# KiCad board BatreeqV2.kicad_pcb
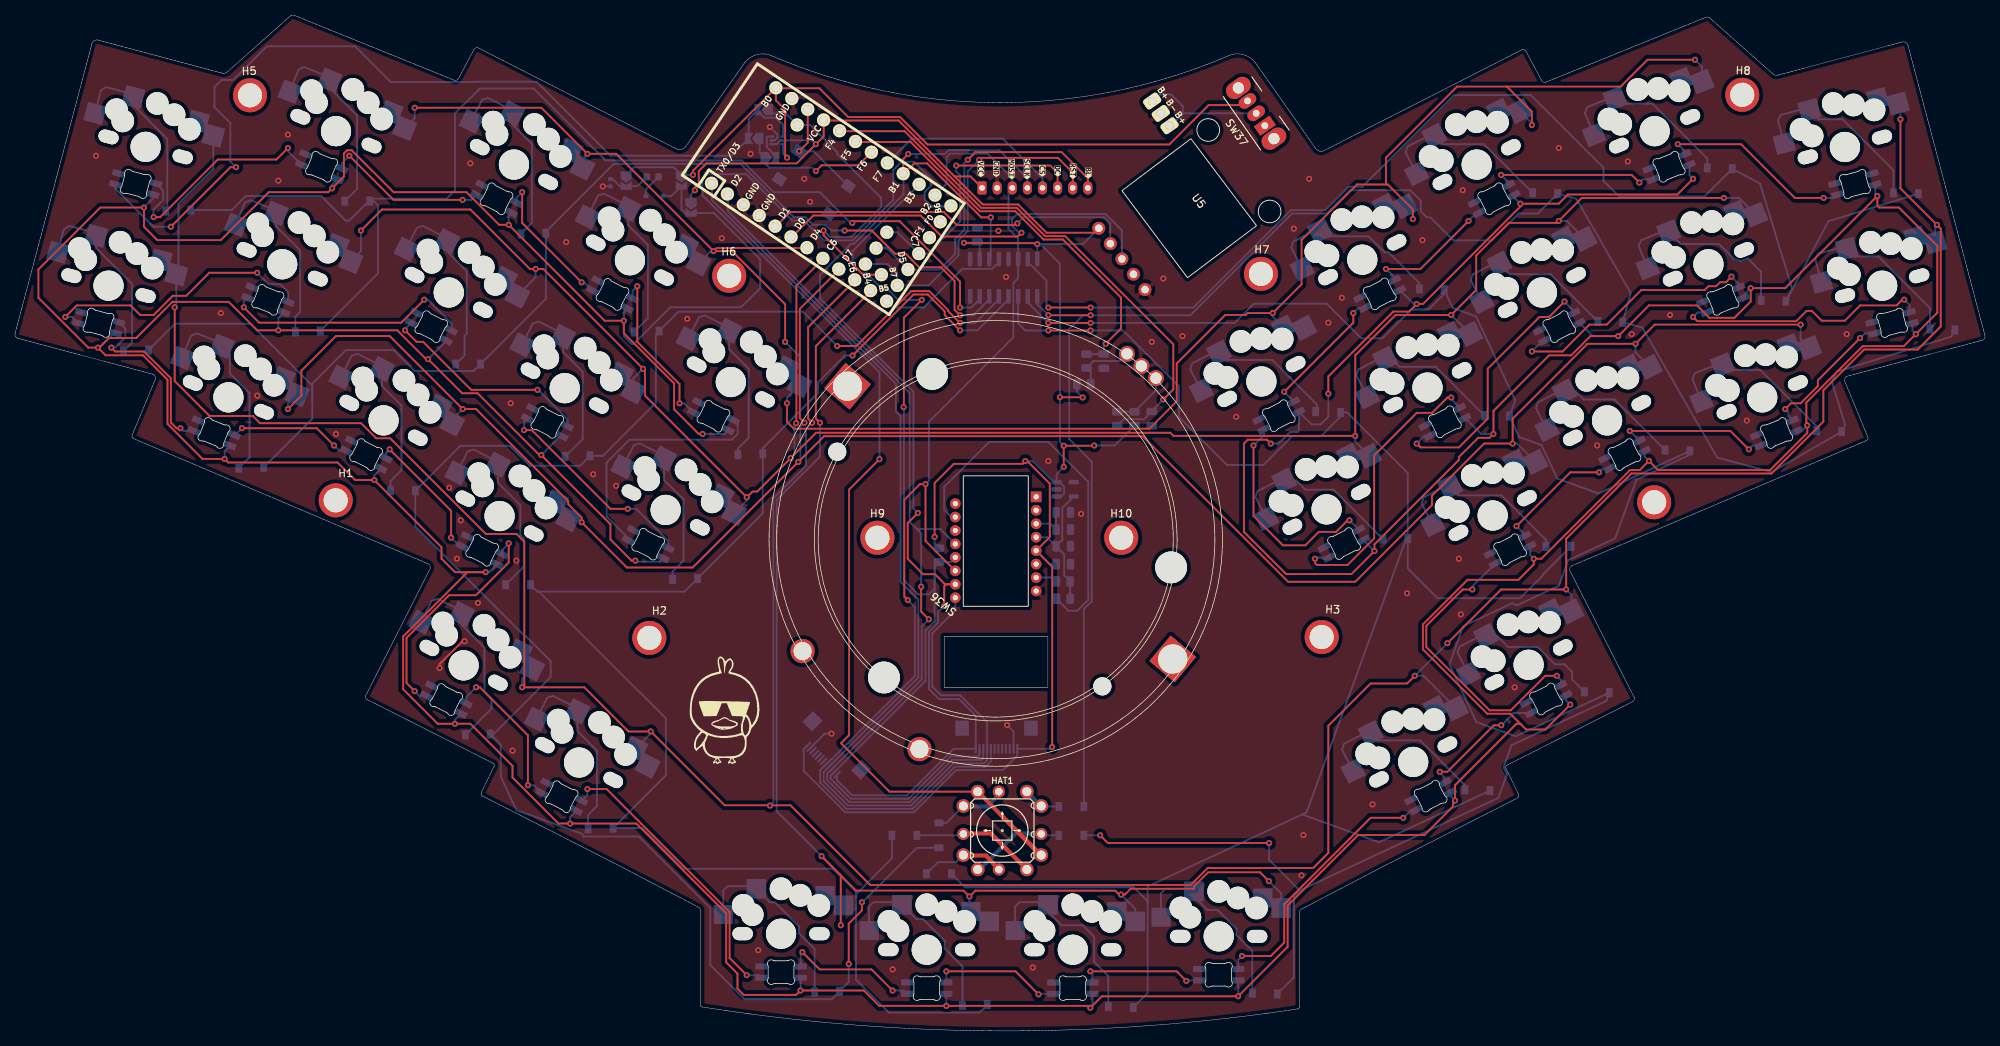
[diagram p0: board, top side]
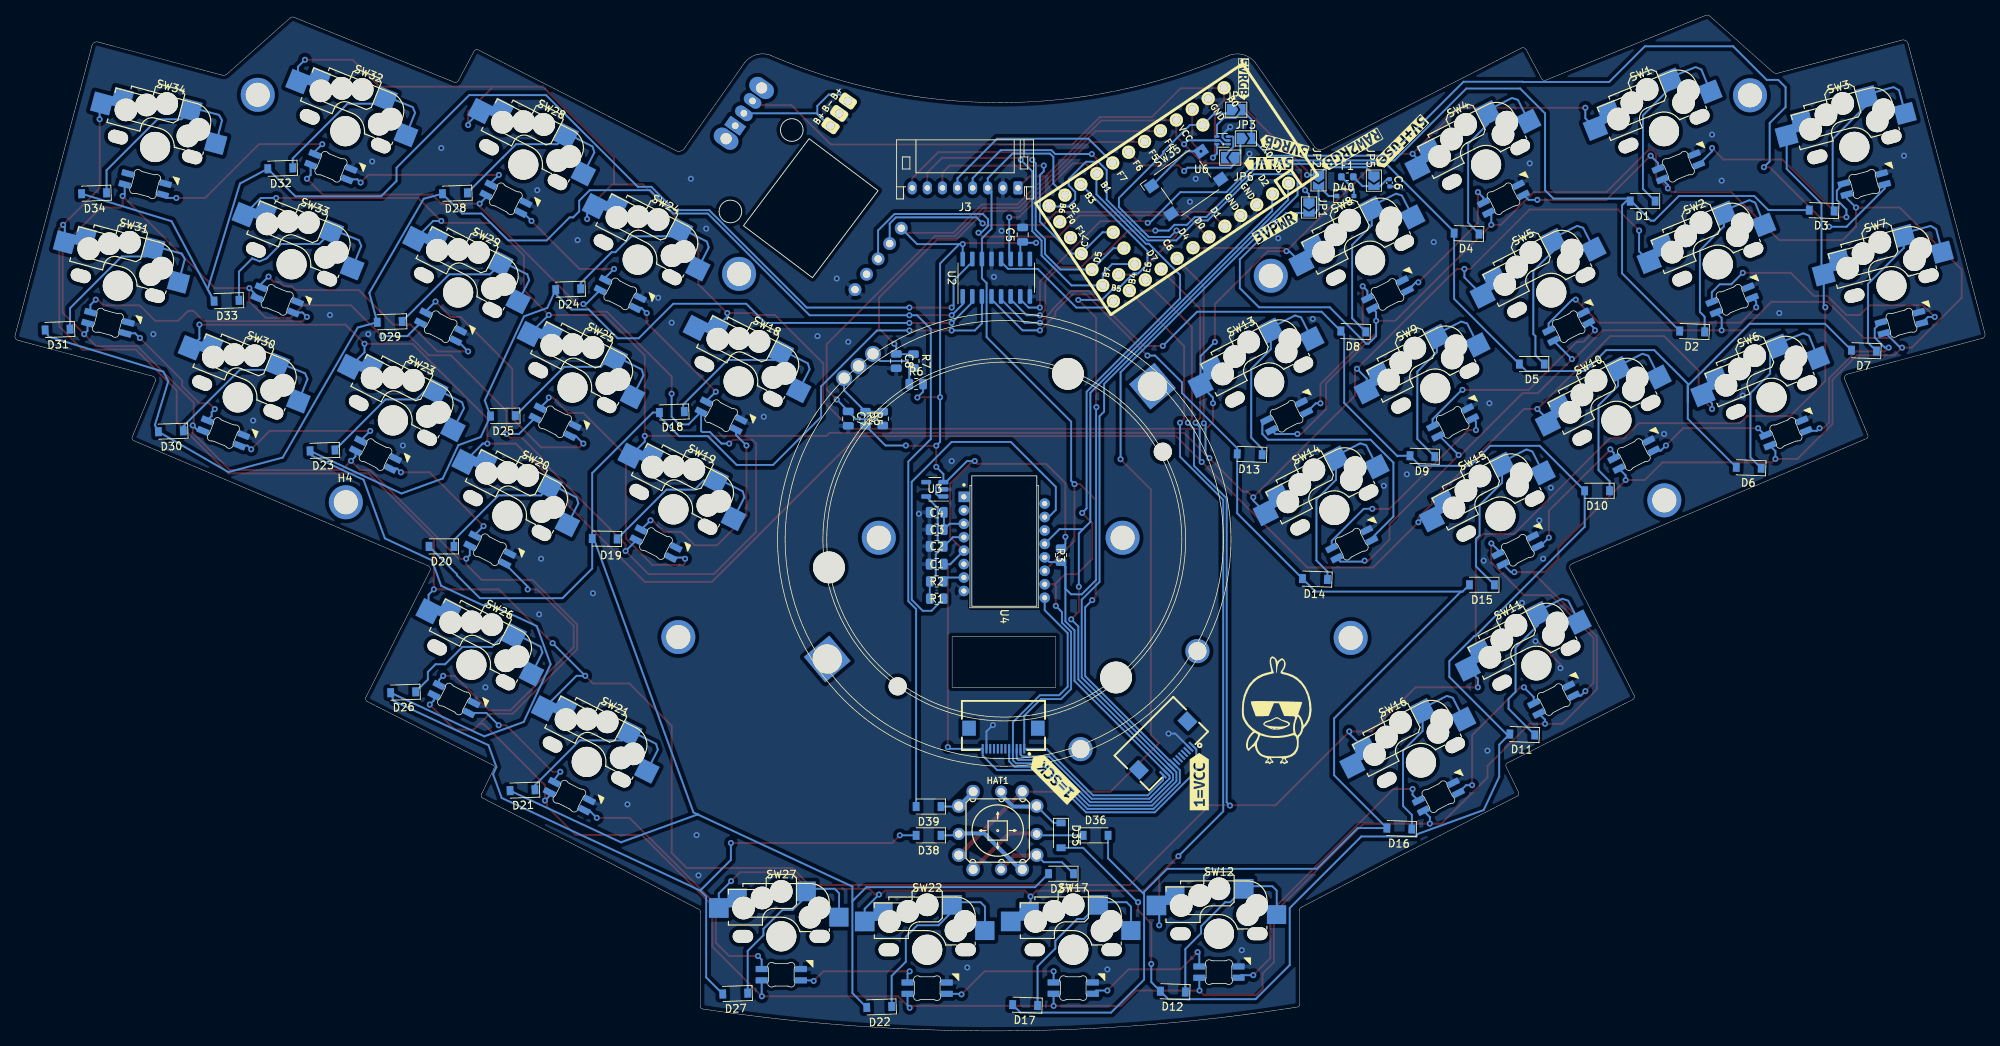
[diagram p1: board, bottom side, seen from below]

Outline 260.69 x 134.45 mm; copper layers: Top, Bottom. Coordinates in mm from the lower left corner of the outline.
Outline path: 0.34,91.68 arc(0.05,91.93) 0.03,92.32 10.19,130.64 arc(10.47,131.05) 10.95,131.15 27.43,126.75 arc(27.79,126.75) 28.1,126.93 36.43,134.32 arc(36.69,134.44) 36.97,134.4 58.15,125.81 arc(58.47,125.83) 58.7,126.07 60.73,129.88 arc(60.94,130.09) 61.24,130.13 87.66,116.67 arc(88.2,116.66) 88.67,116.92 96.55,128.13 arc(98.03,129.17) 99.85,129.18 arc(130.34,122.86) 160.84,129.18 arc(162.66,129.18) 164.14,128.13 172.02,116.92 arc(172.45,116.51) 173.03,116.42 199.45,129.88 arc(199.75,129.84) 199.96,129.62 201.99,125.81 arc(202.22,125.58) 202.54,125.56 223.72,134.15 arc(224,134.19) 224.26,134.07 232.59,126.67 arc(232.9,126.49) 233.26,126.5 249.74,130.89 arc(250.22,130.79) 250.5,130.39 260.66,92.06 arc(260.64,91.68) 260.35,91.42 242.47,86.66 arc(242.15,86.38) 242.12,85.97 245.17,78.6 arc(245.18,78.33) 245,78.14 206.05,61.58 arc(205.75,61.26) 205.8,60.82 214.24,44.18 arc(214.26,43.81) 213.99,43.55 197.42,35.17 arc(197.27,34.96) 197.31,34.71 198.94,31.36 arc(198.98,31.06) 198.79,30.81 181.42,21.96 170.24,16.12 arc(170.03,15.95) 169.97,15.69 169.97,3.16 arc(169.9,2.99) 169.73,2.91 arc(130.33,0) 90.96,3.16 arc(90.79,3.25) 90.72,3.42 90.72,15.94 arc(90.66,16.2) 90.45,16.37 79.27,22.21 61.9,31.07 arc(61.71,31.31) 61.75,31.61 63.38,34.97 arc(63.42,35.22) 63.27,35.42 46.7,43.8 arc(46.43,44.06) 46.45,44.44 54.89,61.08 arc(54.94,61.52) 54.64,61.84 15.69,78.39 arc(15.51,78.59) 15.52,78.86 18.57,86.22 arc(18.54,86.64) 18.22,86.91 0.34,91.68 ; 122.96,52.19 136.68,52.19 136.68,45.49 122.96,45.49 122.96,52.19

## Placement (name value [footprint] x y rotation side)
C1  0.1uF  [C_0805_2012Metric]  138.72 61.77 0 bottom
C2  1uF  [C_0805_2012Metric]  138.72 64.14 0 bottom
C3  4.7uF  [C_0805_2012Metric]  138.72 66.34 0 bottom
C4  0.1uF  [C_0805_2012Metric]  138.72 68.63 180 bottom
C5  0.1uF  [C_0805_2012Metric]  127.35 105.38 90 bottom
C6  4u7  [C_0402_1005Metric]  78.8 112.25 270 bottom
C7  0.1uF  [C_0805_2012Metric]  150.43 81.03 270 bottom
C8  0.1uF  [C_0805_2012Metric]  144.08 88.65 270 bottom
D1  1N4148  [D_SOD-123]  45.3 109.83 0 bottom
D2  1N4148  [D_SOD-123]  38.75 92.57 2 bottom
D3  1N4148  [D_SOD-123]  21.62 108.57 2 bottom
D4  1N4148  [D_SOD-123]  68.61 105.53 2 bottom
D5  1N4148  [D_SOD-123]  59.97 88.25 0 bottom
D6  1N4148  [D_SOD-123]  31.27 74.54 2 bottom
D7  1N4148  [D_SOD-123]  16.03 90.03 2 bottom
D8  1N4148  [D_SOD-123]  83.59 92.57 2 bottom
D9  1N4148  [D_SOD-123]  74.45 76.06 2 bottom
D10  1N4148  [D_SOD-123]  51.33 71.49 0 bottom
D11  1N4148  [D_SOD-123]  61.24 39.23 2 bottom
D12  1N4148  [D_SOD-123]  107.47 5.2 2 bottom
D13  1N4148  [D_SOD-123]  97.31 76.32 2 bottom
D14  1N4148  [D_SOD-123]  88.67 59.81 2 bottom
D15  1N4148  [D_SOD-123]  66.57 59.04 0 bottom
D16  1N4148  [D_SOD-123]  77.5 26.79 2 bottom
D17  1N4148  [D_SOD-123]  127.03 3.42 2 bottom
D18  1N4148  [D_SOD-123]  173.76 81.9 358 bottom
D19  1N4148  [D_SOD-123]  182.65 65.14 1 bottom
D20  1N4148  [D_SOD-123]  204.24 64.12 0 bottom
D21  1N4148  [D_SOD-123]  193.52 31.86 358 bottom
D22  1N4148  [D_SOD-123]  146.33 3.16 358 bottom
D23  1N4148  [D_SOD-123]  219.99 76.82 358 bottom
D24  1N4148  [D_SOD-123]  187.48 98.16 358 bottom
D25  1N4148  [D_SOD-123]  196.11 81.4 359 bottom
D26  1N4148  [D_SOD-123]  209.32 44.82 358 bottom
D27  1N4148  [D_SOD-123]  165.38 4.94 358 bottom
D28  1N4148  [D_SOD-123]  202.46 110.86 358 bottom
D29  1N4148  [D_SOD-123]  211.1 93.84 358 bottom
D30  1N4148  [D_SOD-123]  240.06 79.36 358 bottom
D31  1N4148  [D_SOD-123]  255.04 92.83 358 bottom
D32  1N4148  [D_SOD-123]  225.58 114.16 358 bottom
D33  1N4148  [D_SOD-123]  232.69 96.64 358 bottom
D34  1N4148  [D_SOD-123]  250.22 110.86 358 bottom
D35  1N4148  [D_SOD-123]  122.27 25.88 270 bottom
D36  1N4148  [D_SOD-123]  117.69 25.88 180 bottom
D37  1N4148  [D_SOD-123]  122.27 20.8 0 bottom
D38  1N4148  [D_SOD-123]  139.79 25.88 0 bottom
D39  1N4148  [D_SOD-123]  139.79 29.69 0 bottom
D40  B5817WS  [D_SOD-323]  84.64 110.5 180 bottom
D41  SK6812MINI-E  [MX_SK6812MINI-E_REV]  178.28 102.07 27 top
D42  SK6812MINI-E  [MX_SK6812MINI-E_REV]  247.07 98.63 15 top
D43  SK6812MINI-E  [MX_SK6812MINI-E_REV]  159.28 12.52 0 top
D44  SK6812MINI-E  [MX_SK6812MINI-E_REV]  17.29 117 345 top
D45  SK6812MINI-E  [MX_SK6812MINI-E_REV]  72.75 85.07 333 top
D46  SK6812MINI-E  [MX_SK6812MINI-E_REV]  64.13 68.14 333 top
D47  SK6812MINI-E  [MX_SK6812MINI-E_REV]  193.42 114.66 27 top
D48  SK6812MINI-E  [MX_SK6812MINI-E_REV]  224.08 101.46 22 top
D49  SK6812MINI-E  [MX_SK6812MINI-E_REV]  185.02 35.6 27 top
D50  SK6812MINI-E  [MX_SK6812MINI-E_REV]  42.49 119.08 338 top
D51  SK6812MINI-E  [MX_SK6812MINI-E_REV]  57.41 97.73 333 top
D52  SK6812MINI-E  [MX_SK6812MINI-E_REV]  59.37 48.38 333 top
D53  SK6812MINI-E  [MX_SK6812MINI-E_REV]  216.97 119.08 22 top
D54  SK6812MINI-E  [MX_SK6812MINI-E_REV]  202.05 97.73 27 top
D55  SK6812MINI-E  [MX_SK6812MINI-E_REV]  200.29 48.45 27 top
D56  SK6812MINI-E  [MX_SK6812MINI-E_REV]  66.03 114.66 333 top
D57  SK6812MINI-E  [MX_SK6812MINI-E_REV]  35.37 101.47 338 top
D58  SK6812MINI-E  [MX_SK6812MINI-E_REV]  74.64 35.52 333 top
D59  SK6812MINI-E  [MX_SK6812MINI-E_REV]  242.14 116.99 15 top
D60  SK6812MINI-E  [MX_SK6812MINI-E_REV]  186.91 85.14 27 top
D61  SK6812MINI-E  [MX_SK6812MINI-E_REV]  195.53 68.21 27 top
D62  SK6812MINI-E  [MX_SK6812MINI-E_REV]  81.38 102 333 top
D63  SK6812MINI-E  [MX_SK6812MINI-E_REV]  12.38 98.63 345 top
D64  SK6812MINI-E  [MX_SK6812MINI-E_REV]  101.37 12.86 0 top
D65  SK6812MINI-E  [MX_SK6812MINI-E_REV]  173.56 69.02 27 top
D66  SK6812MINI-E  [MX_SK6812MINI-E_REV]  210.67 80.8 27 top
D67  SK6812MINI-E  [MX_SK6812MINI-E_REV]  94.73 85.88 333 top
D68  SK6812MINI-E  [MX_SK6812MINI-E_REV]  28.25 83.85 338 top
D69  SK6812MINI-E  [MX_SK6812MINI-E_REV]  120.65 10.74 0 top
D70  SK6812MINI-E  [MX_SK6812MINI-E_REV]  164.93 85.95 27 top
D71  SK6812MINI-E  [MX_SK6812MINI-E_REV]  231.2 83.85 22 top
D72  SK6812MINI-E  [MX_SK6812MINI-E_REV]  86.11 68.95 333 top
D73  SK6812MINI-E  [MX_SK6812MINI-E_REV]  48.78 80.8 333 top
D74  SK6812MINI-E  [MX_SK6812MINI-E_REV]  139.98 10.74 0 top
F1  500mA  [Fuse_0603_1608Metric]  84.39 113.04 180 bottom
G***  -  [LOGO]  93.82 41.12 0 top
G***#2  -  [LOGO]  93.82 41.12 180 bottom
H1  MountingHole_Pad  [MountingHole_M3]  42.44 70.22 1 top
H2  MountingHole_Pad  [MountingHole_M3]  83.95 52.01 1 top
H3  MountingHole_Pad  [MountingHole_M3#2]  172.91 52.23 359 top
H4  MountingHole_Pad  [MountingHole_M3]  216.9 69.97 358 top
H5  MountingHole_Pad  [MountingHole_M3]  31.11 123.83 2 top
H6  MountingHole_Pad  [MountingHole_M3]  94.51 99.94 1 top
H7  MountingHole_Pad  [MountingHole_M3]  164.87 100.19 358 top
H8  MountingHole_Pad  [MountingHole_M3]  228.56 123.89 358 top
H9  MountingHole_Pad  [MountingHole_M3]  114.13 65.27 0 top
H10  MountingHole_Pad  [MountingHole_M3]  146.38 65.27 0 top
HAT1  5Way-Tactile_K1-1506DN-01  [5Way-K1-1506DN-01]  130.65 26.52 0 top
J1  Conn_01x12_Female  [FPC-SMD_FPC05012-09200-.5mm-rev#2]  107.79 36.8 315 bottom
J2  Conn_01x12_Female  [FPC-SMD_FPC05012-09200-.5mm-rev]  129.89 38.7 0 bottom
J3  Conn_01x08_Female  [JST_PH_S8B-PH-K_1x08_P2.00mm_Horizontal]  127.97 111.57 0 bottom
J4  Conn_01x08_Female  [3JST_BAT]  151.62 121.43 125 top
JP1  Jumper_2_Open  [SolderJumper-2_P1.3mm_Open_TrianglePad1.0x1.5mm]  89.47 108.97 270 bottom
JP2  Jumper_2_Open  [SolderJumper-2_P1.3mm_Open_TrianglePad1.0x1.5mm]  88.2 112.57 270 bottom
JP3  Jumper_2_Open  [SolderJumper-2_P1.3mm_Open_TrianglePad1.0x1.5mm]  97.81 118.12 180 bottom
JP4  Jumper_2_Open  [SolderJumper-2_P1.3mm_Open_TrianglePad1.0x1.5mm]  99.08 121.93 180 bottom
JP5  Jumper_2_Open  [SolderJumper-2_P1.3mm_Open_TrianglePad1.0x1.5mm]  80.87 112.53 270 bottom
JP6  Jumper_2_Open  [SolderJumper-2_P1.3mm_Open_TrianglePad1.0x1.5mm]  99.88 115.58 0 bottom
kibuzzard-638CDE9C  G***  [kibuzzard-638CDE9C]  103.98 32.99 90 bottom
kibuzzard-638CDF14  G***  [kibuzzard-638CDF14]  123.28 33.5 45 bottom
kibuzzard-639A0AF8  G***  [kibuzzard-639A0AF8]  94.8 114.82 0 bottom
kibuzzard-639A0B63  G***  [kibuzzard-639A0B63]  98.1 125.99 270 bottom
kibuzzard-639A0B78  G***  [kibuzzard-639A0B78]  83.88 116.59 330 bottom
kibuzzard-639A2BF5  G***  [kibuzzard-639A2BF5]  127.82 114.05 270 top
kibuzzard-639A2C9D  G***  [kibuzzard-639A2C9D]  135.95 113.8 270 top
kibuzzard-639A2C18  G***  [kibuzzard-639A2C18]  129.85 114.05 270 top
kibuzzard-639A2C87  G***  [kibuzzard-639A2C87]  131.88 114.05 270 top
kibuzzard-639A2C93  G***  [kibuzzard-639A2C93]  133.92 114.05 270 top
kibuzzard-639A2CA8  G***  [kibuzzard-639A2CA8]  137.98 113.8 270 top
kibuzzard-639A2CB2  G***  [kibuzzard-639A2CB2]  140.01 113.8 270 top
kibuzzard-639A2CBD  G***  [kibuzzard-639A2CBD]  142.04 113.55 270 top
kibuzzard-639A2CF4  G***  [kibuzzard-639A2CF4]  93.78 106.43 150 bottom
kibuzzard-639A0281  G***  [kibuzzard-639A0281]  77.27 117.61 315 bottom
kibuzzard-639A0817  G***  [kibuzzard-639A0817]  92.77 117.1 15 bottom
R1  39  [R_0805_2012Metric]  138.72 57.2 180 bottom
R2  10K  [R_0805_2012Metric]  138.72 59.49 0 bottom
R3  10K  [R_0805_2012Metric]  122.27 62.97 90 bottom
R4  10K  [R_0805_2012Metric]  145.85 81.03 90 bottom
R5  10K  [R_0805_2012Metric]  148.14 81.03 270 bottom
R6  10K  [R_0805_2012Metric]  141.43 85.61 180 bottom
R7  10K  [R_0805_2012Metric]  141.79 88.65 270 bottom
SW1  SW_Push  [Kailh_hotswap_only_MX-CHOC]  42.48 119.08 338 top
SW2  SW_Push  [Kailh_hotswap_only_MX-CHOC]  35.36 101.46 338 top
SW3  SW_Push  [Kailh_hotswap_only_MX-CHOC]  17.29 117 345 top
SW4  SW_Push  [Kailh_hotswap_only_MX-CHOC]  66.03 114.66 333 top
SW5  SW_Push  [Kailh_hotswap_only_MX-CHOC]  57.4 97.73 333 top
SW6  SW_Push  [Kailh_hotswap_only_MX-CHOC]  28.25 83.85 338 top
SW7  SW_Push  [Kailh_hotswap_only_MX-CHOC]  12.38 98.63 345 top
SW8  SW_Push  [Kailh_hotswap_only_MX-CHOC]  81.38 101.99 333 top
SW9  SW_Push  [Kailh_hotswap_only_MX-CHOC]  72.75 85.06 333 top
SW10  SW_Push  [Kailh_hotswap_only_MX-CHOC]  48.78 80.8 333 top
SW11  SW_Push  [Kailh_hotswap_only_MX-CHOC]  59.37 48.38 333 top
SW12  SW_Push  [Kailh_hotswap_only_MX-CHOC]  101.37 12.85 0 top
SW13  SW_Push  [Kailh_hotswap_only_MX-CHOC]  94.73 85.88 333 top
SW14  SW_Push  [Kailh_hotswap_only_MX-CHOC]  86.1 68.95 333 top
SW15  SW_Push  [Kailh_hotswap_only_MX-CHOC]  64.12 68.14 333 top
SW16  SW_Push  [Kailh_hotswap_only_MX-CHOC]  74.64 35.52 333 top
SW17  SW_Push  [Kailh_hotswap_only_MX-CHOC]  120.65 10.74 0 top
SW18  SW_Push  [Kailh_hotswap_only_MX-CHOC]  164.93 85.95 27 top
SW19  SW_Push  [Kailh_hotswap_only_MX-CHOC]  173.56 69.02 27 top
SW20  SW_Push  [Kailh_hotswap_only_MX-CHOC]  195.53 68.21 27 top
SW21  SW_Push  [Kailh_hotswap_only_MX-CHOC]  185.02 35.59 27 top
SW22  SW_Push  [Kailh_hotswap_only_MX-CHOC]  139.98 10.73 0 top
SW23  SW_Push  [Kailh_hotswap_only_MX-CHOC]  210.67 80.8 27 top
SW24  SW_Push  [Kailh_hotswap_only_MX-CHOC]  178.28 102.07 27 top
SW25  SW_Push  [Kailh_hotswap_only_MX-CHOC]  186.91 85.14 27 top
SW26  SW_Push  [Kailh_hotswap_only_MX-CHOC]  200.29 48.45 27 top
SW27  SW_Push  [Kailh_hotswap_only_MX-CHOC]  159.28 12.51 0 top
SW28  SW_Push  [Kailh_hotswap_only_MX-CHOC]  193.42 114.65 27 top
SW29  SW_Push  [Kailh_hotswap_only_MX-CHOC]  202.05 97.72 27 top
SW30  SW_Push  [Kailh_hotswap_only_MX-CHOC#2]  231.2 83.84 22 top
SW31  SW_Push  [Kailh_hotswap_only_MX-CHOC]  247.07 98.62 15 top
SW32  SW_Push  [Kailh_hotswap_only_MX-CHOC#2]  216.97 119.07 22 top
SW33  SW_Push  [Kailh_hotswap_only_MX-CHOC#2]  224.08 101.46 22 top
SW34  SW_Push  [Kailh_hotswap_only_MX-CHOC]  242.14 116.98 15 top
SW35  SW_Push  [SW_SPST_Omron_B3FS-100xP]  105.72 112.28 145 bottom
SW36  RotaryEncoder  [PERS56v2]  129.78 65.02 140 top
SW37  SW_SPDT  [SW_CuK_OS102011MA1QN1_SPDT_Angled]  165.38 119.8 125 top
U1  Elite-C  [Helios-SeaPicro-Nano]  108.01 110.69 326 top
U2  74HC595  [SOIC-16_3.9x9.9mm_P1.27mm]  130.84 99.68 90 bottom
U3  TCR2EF19,LM(CT  [SOT-23-5]  138.97 71.68 0 bottom
U4  -  [PMW3360DM-T2QU]  129.78 65.02 270 bottom
U5  DRV2605L  [Pimoroni Haptic Buzz DRV2605L Driver]  154.78 108.43 307 top
U6  74LVC1T45  [SOT-563]  100.9 117.86 0 bottom

## Library data of the parts
C1 C4 C5 C7 C8 = -: LCSC: C77456; manf#: 0805B104K101CT
C2 = -: LCSC: C366879; manf#: 0805B105K100CT
C3 = -: LCSC: C303940; manf#: 0805X475K250CT
C6 = -: JLC Basic: Y; LCSC: C23733; MPN : CL05A475MP5NRNC; Manufacturer: Samsung Electro-Mechanics; Substitute: Y
D1-D39 = -: LCSC: C8598
D40 = -: JLC Basic: N; LCSC: C122854; Manufacturer: Shikues; Substitute: N
D41-D74 = -: Field4: 1
F1 = -: JLC Basic: N; LCSC: C210357; MPN : MF-FSMF050X-2; Manufacturer: BOURNS; Substitute: Y
J1 J2 = -: LCSC: C479750
R1 = -: LCSC: C514993; manf#: SG73P2ATTD39R0F
R2-R7 = -: LCSC: C406725; manf#: ARG05BTC1002
SW35 = -: LCSC: C271750
SW37 = -: LCSC(not included): C226259
U2 = -: LCSC: C10092
U3 = -: LCSC: C146366
U6 = -: JLC Basic: N; LCSC: C352970; MPN : SN74LVC1T45DRLR; Manufacturer: Texas Instruments; Substitute: N

## Footprints (pads in the part's own frame, mm; a bottom-side part is the same pattern mirrored in y, then rotated)
3JST_BAT
  rrect 1.5x2.25 hole 1.092: 1(2,0) 2(0,0) 3(-2,0)
5Way-K1-1506DN-01
  round 1.8 hole 1.2: 1(-5.15,3.25) 2(3.25,-5.15) 3(-5.15,-3.25) 4(-3.25,5.15) 4(5.15,-3.25) 5(-3.25,-5.15) 6(3.25,5.15) 6(5.15,3.25)
  custom 6.106x3.312 smd far side: 1(-2.54,3.175)
  round 1.6 hole 1: 1(-0.45,5.15) 2(-5.15,-0.45) 3(-0.45,-5.15) 5(5.15,-0.45)
  custom 9.916x6.106 smd: 2(2.032,-3.937)
  custom 6.106x3.312 smd: 3(-1.778,-3.81)
  custom 9.939x9.939 smd: 4(0.95,0.95)
  custom 9.916x6.106 smd far side: 5(3.81,-0.381)
  custom 3.462x3.462 smd far side: 6(4.2,4.2)
C_0402_1005Metric
  rrect 0.56x0.62 smd: 1(-0.48,0) 2(0.48,0)
C_0805_2012Metric
  rrect 1x1.45 smd: 1(-0.95,0) 2(0.95,0)
D_SOD-123
  rect 0.9x1.2 smd: 1(-1.65,0) 2(1.65,0)
D_SOD-323
  rrect 0.65x0.6 smd: 1(-1.125,0) 2(1.125,0)
FPC-SMD_FPC05012-09200-.5mm-rev
  rect 0.28x1.25 smd: 1(-2.75,1.362) 2(-2.25,1.362) 3(-1.75,1.362) 4(-1.25,1.362) 5(-0.75,1.362) 6(-0.25,1.362) 7(0.25,1.362) 8(0.75,1.362) 9(1.25,1.362) 10(1.75,1.362) 11(2.25,1.362) 12(2.75,1.362)
  rect 1.8x2 smd: 13(4.55,-1.362) 14(-4.55,-1.362)
FPC-SMD_FPC05012-09200-.5mm-rev#2
  rect 0.28x1.25 smd: 1(-2.75,1.362) 2(-2.25,1.362) 3(-1.75,1.362) 4(-1.25,1.362) 5(-0.75,1.362) 6(-0.25,1.362) 7(0.25,1.362) 8(0.75,1.362) 9(1.25,1.362) 10(1.75,1.362) 11(2.25,1.362) 12(2.75,1.362)
  rect 1.8x2 smd: 13(4.55,-1.362) 14(-4.55,-1.362)
Fuse_0603_1608Metric
  rrect 0.875x0.95 smd: 1(-0.787,0) 2(0.787,0)
Helios-SeaPicro-Nano
  round 1.753 hole 1.092: 1(-13.97,-7.62) 2(-11.43,-7.62) 3(-8.89,-7.62) 4(-6.35,-7.62) 5(-3.81,-7.62) 6(-1.27,-7.62) 7(1.27,-7.62) 8(3.81,-7.62) 9(6.35,-7.62) 10(8.89,-7.62) 11(11.43,-7.62) 12(13.97,-7.6) 13(13.97,7.62) 14(11.43,7.62) 15(8.89,7.62) 16(6.35,7.62) 17(3.81,7.62) 18(1.27,7.62) 19(-1.27,7.62) 20(-3.81,7.62) 21(-6.35,7.62) 22(-8.89,7.62) 23(-11.43,7.62) 24(-13.97,7.62) 25(8.89,-5.1) 25(13.97,-5.08) 26(8.89,-2.56) 26(13.97,-2.54) 27(8.89,-0.02) 27(13.97,0) 28(13.97,2.54) 29(13.97,5.08) 30(-8.89,5.12) 30(11.43,-5.08)
JST_PH_S8B-PH-K_1x08_P2.00mm_Horizontal
  rrect 1.2x1.75 hole 0.75: 1(0,0)
  oval 1.2x1.75 hole 0.75: 2(2,0) 3(4,0) 4(6,0) 5(8,0) 6(10,0) 7(12,0) 8(14,0)
Kailh_hotswap_only_MX-CHOC
  oval 2.702x1.702 hole 2.702x1.702 unplated: (-5.08,0.004) (5.08,0)
  round 3 hole 3 unplated: (-4.998,3.753) (-3.81,2.54) (0.002,5.953) (2.54,5.08) (5,3.75)
  round 3.988 hole 3.988 unplated: (0.002,0.003)
  rect 2.55x2.5 smd far side: 1(5.844,5.083) 2(-7.62,2.54)
  rect 2.6x2.6 smd far side: 1(8.275,3.75) 2(-3.273,5.953)
  rrect 1x0.25 smd far side rot 45: 2(-8.343,5.558)
  rect 0.25x4 smd far side: 2(-8.026,2.73)
  rect 3x0.25 smd far side: 2(-6.6,6.68)
Kailh_hotswap_only_MX-CHOC#2
  oval 2.702x1.702 hole 2.702x1.702 unplated: (-5.08,0.004) (5.08,0)
  round 3 hole 3 unplated: (-4.998,3.753) (-3.81,2.54) (0.002,5.953) (2.54,5.08) (5,3.75)
  round 3.988 hole 3.988 unplated: (0.002,0.003)
  rect 2.55x2.5 smd far side: 1(5.844,5.083) 2(-7.62,2.54)
  rect 2.6x2.6 smd far side: 1(8.275,3.75) 2(-3.273,5.953)
  rrect 1x0.25 smd far side rot 45: 2(-8.343,5.558)
  rect 0.25x4 smd far side: 2(-8.026,2.73)
  rect 3x0.25 smd far side: 2(-6.6,6.68)
MountingHole_M3
  round 4.5 hole 3.2: 1(0,0)
MountingHole_M3#2
  round 4.5 hole 3.2: 1(0,-0.1)
MX_SK6812MINI-E_REV
  rrect 1.6x0.82 smd far side: 1(2.6,-5.83) 2(2.6,-4.33) 3(-2.6,-4.33) 4(-2.6,-5.83)
PERS56v2
  round 2.4 hole 2.4 unplated: (-23.29,5.806) (23.544,4.573)
  round 4.2 hole 4.2 unplated: (-20.135,-12.098) (-0.4,23.485) (20.549,-11.39)
  round 3.2 hole 2.4: (-10.094,27.733) (10.092,27.733)
  round 2.1 hole 1.5: A(-2.5,-30) B(2.5,-30) C(0,-30)
  rect 4.4x4.4 hole 3.8x3.9: MP(-28.095,-2.953) MP(28.071,-2.951)
Pimoroni Haptic Buzz DRV2605L Driver
  round 1.7 hole 1: 1(-5.08,-10.4)
  oval 1.7x1.7 hole 1: 2(-2.54,-10.4) 3(0,-10.4) 4(2.54,-10.4) 5(5.08,-10.4)
PMW3360DM-T2QU
  rect 1.4x1.4 hole 0.7: 1(-5.66,-5.35)
  round 1.4 hole 0.7: 2(-3.88,-5.35) 3(-2.1,-5.35) 4(-0.32,-5.35) 5(1.46,-5.35) 6(3.24,-5.35) 7(5.02,-5.35) 8(6.8,-5.35) 9(7.69,5.35) 10(5.91,5.35) 11(4.13,5.35) 12(2.35,5.35) 13(0.57,5.35) 14(-1.21,5.35) 15(-2.99,5.35) 16(-4.77,5.35)
R_0805_2012Metric
  rrect 1.025x1.4 smd: 1(-0.912,0) 2(0.912,0)
SOIC-16_3.9x9.9mm_P1.27mm
  rrect 1.95x0.6 smd: 1(-2.475,4.445) 2(-2.475,3.175) 3(-2.475,1.905) 4(-2.475,0.635) 5(-2.475,-0.635) 6(-2.475,-1.905) 7(-2.475,-3.175) 8(-2.475,-4.445) 9(2.475,-4.445) 10(2.475,-3.175) 11(2.475,-1.905) 12(2.475,-0.635) 13(2.475,0.635) 14(2.475,1.905) 15(2.475,3.175) 16(2.475,4.445)
SolderJumper-2_P1.3mm_Open_TrianglePad1.0x1.5mm
  custom 1.5x1.5 smd: 1(-0.725,0)
  custom 1.15x1.5 smd: 2(0.725,0)
SOT-23-5
  rrect 1.325x0.6 smd: 1(-1.137,0.95) 2(-1.137,0) 3(-1.137,-0.95) 4(1.137,-0.95) 5(1.137,0.95)
SOT-563
  rrect 0.7x0.34 smd: 1(-0.75,0.5)
  oval 0.7x0.34 smd: 2(-0.75,0) 3(-0.75,-0.5) 4(0.75,-0.5) 5(0.75,0) 6(0.75,0.5)
SW_CuK_OS102011MA1QN1_SPDT_Angled
  oval 2.2x3.5 hole 1.5: (-2.1,0) (6.1,0)
  rect 1.5x2.5 hole 0.9: 1(0,0)
  oval 1.5x2.5 hole 0.9: 2(2,0) 3(4,0)
SW_SPST_Omron_B3FS-100xP
  rect 1.6x1.4 smd: 1(-4,2.25) 1(4,2.25) 2(-4,-2.25) 2(4,-2.25)

## Nets
GND: C1.2 C2.2 C3.2 C4.1 C5.2 C6.2 C7.2 C8.2 D41.3 D42.3 D43.3 D44.3 D45.3 D46.3 D47.3 D48.3 D49.3 D50.3 D51.3 D52.3 D53.3 D54.3 D55.3 D56.3 D57.3 D58.3 D59.3 D60.3 D61.3 D62.3 D63.3 D64.3 D65.3 D66.3 D67.3 D68.3 D69.3 D70.3 D71.3 D72.3 D73.3 D74.3 J1.2 J2.11 J3.2 J4.2 SW35.2 SW36.C U1.3 U1.4 U1.23 U2.8 U2.13 U3.2 U4.8 U5.5 U6.2
VCC: C1.1 C5.1 J1.1 J2.12 J3.1 JP1.1 R3.2 R5.2 R6.2 U1.21 U2.10 U2.16 U3.1 U3.3 U4.5 U5.1 U6.1 U6.5
VDD: C2.1 R1.1 R2.2 U3.5 U4.4
bat+: J4.1 J4.3 SW37.2
col0: D1.2 D2.2 D3.2 U2.7
col1: D4.2 D5.2 D6.2 D7.2 U2.6
col2: D8.2 D9.2 D10.2 D11.2 D12.2 D35.2 U2.5
col3: D13.2 D14.2 D15.2 D16.2 D17.2 D36.2 U2.4
col4: D18.2 D19.2 D20.2 D21.2 D22.2 D37.2 U2.3
col5: D23.2 D24.2 D25.2 D26.2 D27.2 D38.2 U2.2
col6: D28.2 D29.2 D30.2 D31.2 D39.2 U2.1
col7: D32.2 D33.2 D34.2 U2.15
EncL: C7.1 R4.1 U1.20
EncR: C8.1 R7.1 U1.19
LED_3V3: JP3.1 JP6.1 U1.18
LED_5V: JP4.1 U1.30
LED_DO: D44.4 JP3.2 JP4.2 U6.4
LED_PWR: D40.1 D41.1 D42.1 D43.1 D44.1 D45.1 D46.1 D47.1 D48.1 D49.1 D50.1 D51.1 D52.1 D53.1 D54.1 D55.1 D56.1 D57.1 D58.1 D59.1 D60.1 D61.1 D62.1 D63.1 D64.1 D65.1 D66.1 D67.1 D68.1 D69.1 D70.1 D71.1 D72.1 D73.1 D74.1 JP1.2 JP2.2
MISO: J1.11 J2.2 R3.1 U1.15 U4.12
MOSI: J1.8 J2.5 J3.3 U1.14 U2.14 U4.11
MOTION: J1.9 J2.4 U1.1 U4.9
NCS: J1.10 J2.3 U1.2 U4.13
RAW: JP2.1 JP5.1 SW37.3 U1.24 U6.6
RESET: SW35.1 U1.22
row_0: SW1.1 SW4.1 SW8.1 SW13.1 SW18.1 SW24.1 SW28.1 SW32.1 U1.7
row_1: SW2.1 SW5.1 SW9.1 SW14.1 SW19.1 SW25.1 SW29.1 SW33.1 U1.8
row_2: SW6.1 SW10.1 SW15.1 SW20.1 SW23.1 SW30.1 U1.9
row_3: SW3.1 SW7.1 SW11.1 SW16.1 SW21.1 SW26.1 SW31.1 SW34.1 U1.10
row_4: SW12.1 SW17.1 SW22.1 SW27.1 U1.11
row_5: HAT1.4 U1.13
SCL: U1.6 U5.3
SCLK: J1.12 J2.1 J3.4 U1.16 U2.11 U4.10
SDA: U1.5 U5.2
SR_CS: U1.12 U2.12
TFT_BL: J3.8 U1.26
TFT_CS: J3.5 U1.17
TFT_DC: J3.6 U1.27
TFT_RST: J3.7 U1.25
Net-(C3-Pad1): C3.1 C4.2 U4.3
Net-(C6-Pad1): C6.1 F1.2 JP5.2
Net-(D1-Pad1): D1.1 SW1.2
Net-(D2-Pad1): D2.1 SW2.2
Net-(D3-Pad1): D3.1 SW3.2
Net-(D4-Pad1): D4.1 SW4.2
Net-(D5-Pad1): D5.1 SW5.2
Net-(D6-Pad1): D6.1 SW6.2
Net-(D7-Pad1): D7.1 SW7.2
Net-(D8-Pad1): D8.1 SW8.2
Net-(D9-Pad1): D9.1 SW9.2
Net-(D10-Pad1): D10.1 SW10.2
Net-(D11-Pad1): D11.1 SW11.2
Net-(D12-Pad1): D12.1 SW12.2
Net-(D13-Pad1): D13.1 SW13.2
Net-(D14-Pad1): D14.1 SW14.2
Net-(D15-Pad1): D15.1 SW15.2
Net-(D16-Pad1): D16.1 SW16.2
Net-(D17-Pad1): D17.1 SW17.2
Net-(D18-Pad1): D18.1 SW18.2
Net-(D19-Pad1): D19.1 SW19.2
Net-(D20-Pad1): D20.1 SW20.2
Net-(D21-Pad1): D21.1 SW21.2
Net-(D22-Pad1): D22.1 SW22.2
Net-(D23-Pad1): D23.1 SW23.2
Net-(D24-Pad1): D24.1 SW24.2
Net-(D25-Pad1): D25.1 SW25.2
Net-(D26-Pad1): D26.1 SW26.2
Net-(D27-Pad1): D27.1 SW27.2
Net-(D28-Pad1): D28.1 SW28.2
Net-(D29-Pad1): D29.1 SW29.2
Net-(D30-Pad1): D30.1 SW30.2
Net-(D31-Pad1): D31.1 SW31.2
Net-(D32-Pad1): D32.1 SW32.2
Net-(D33-Pad1): D33.1 SW33.2
Net-(D34-Pad1): D34.1 SW34.2
Net-(D35-Pad1): D35.1 HAT1.1
Net-(D36-Pad1): D36.1 HAT1.2
Net-(D37-Pad1): D37.1 HAT1.3
Net-(D38-Pad1): D38.1 HAT1.5